# KiCad board FlightComputer.kicad_pcb
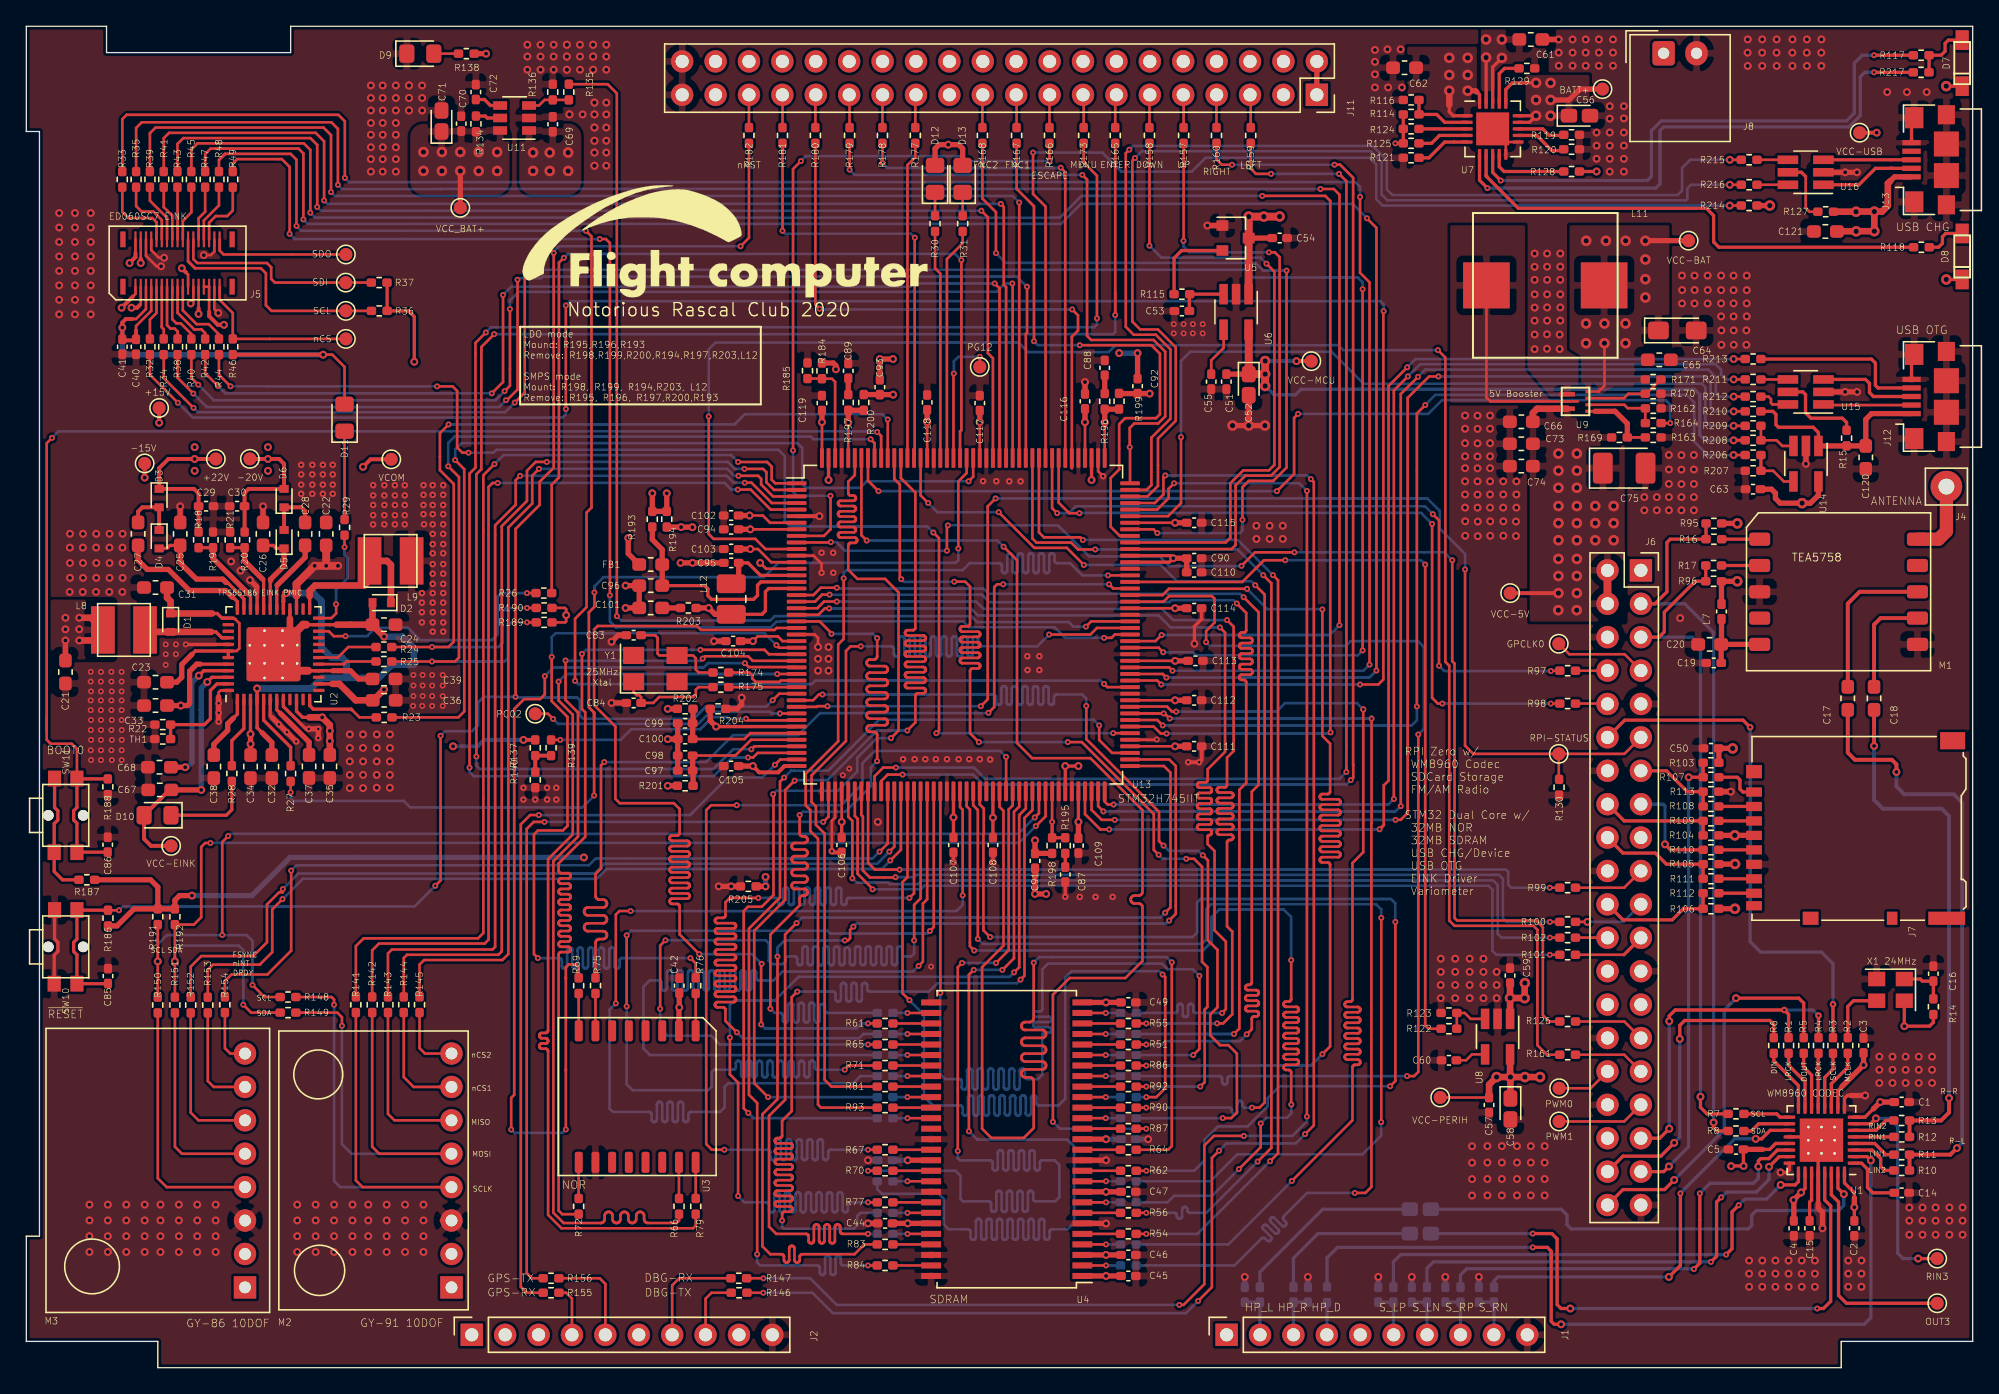
[diagram p0: board, top side]
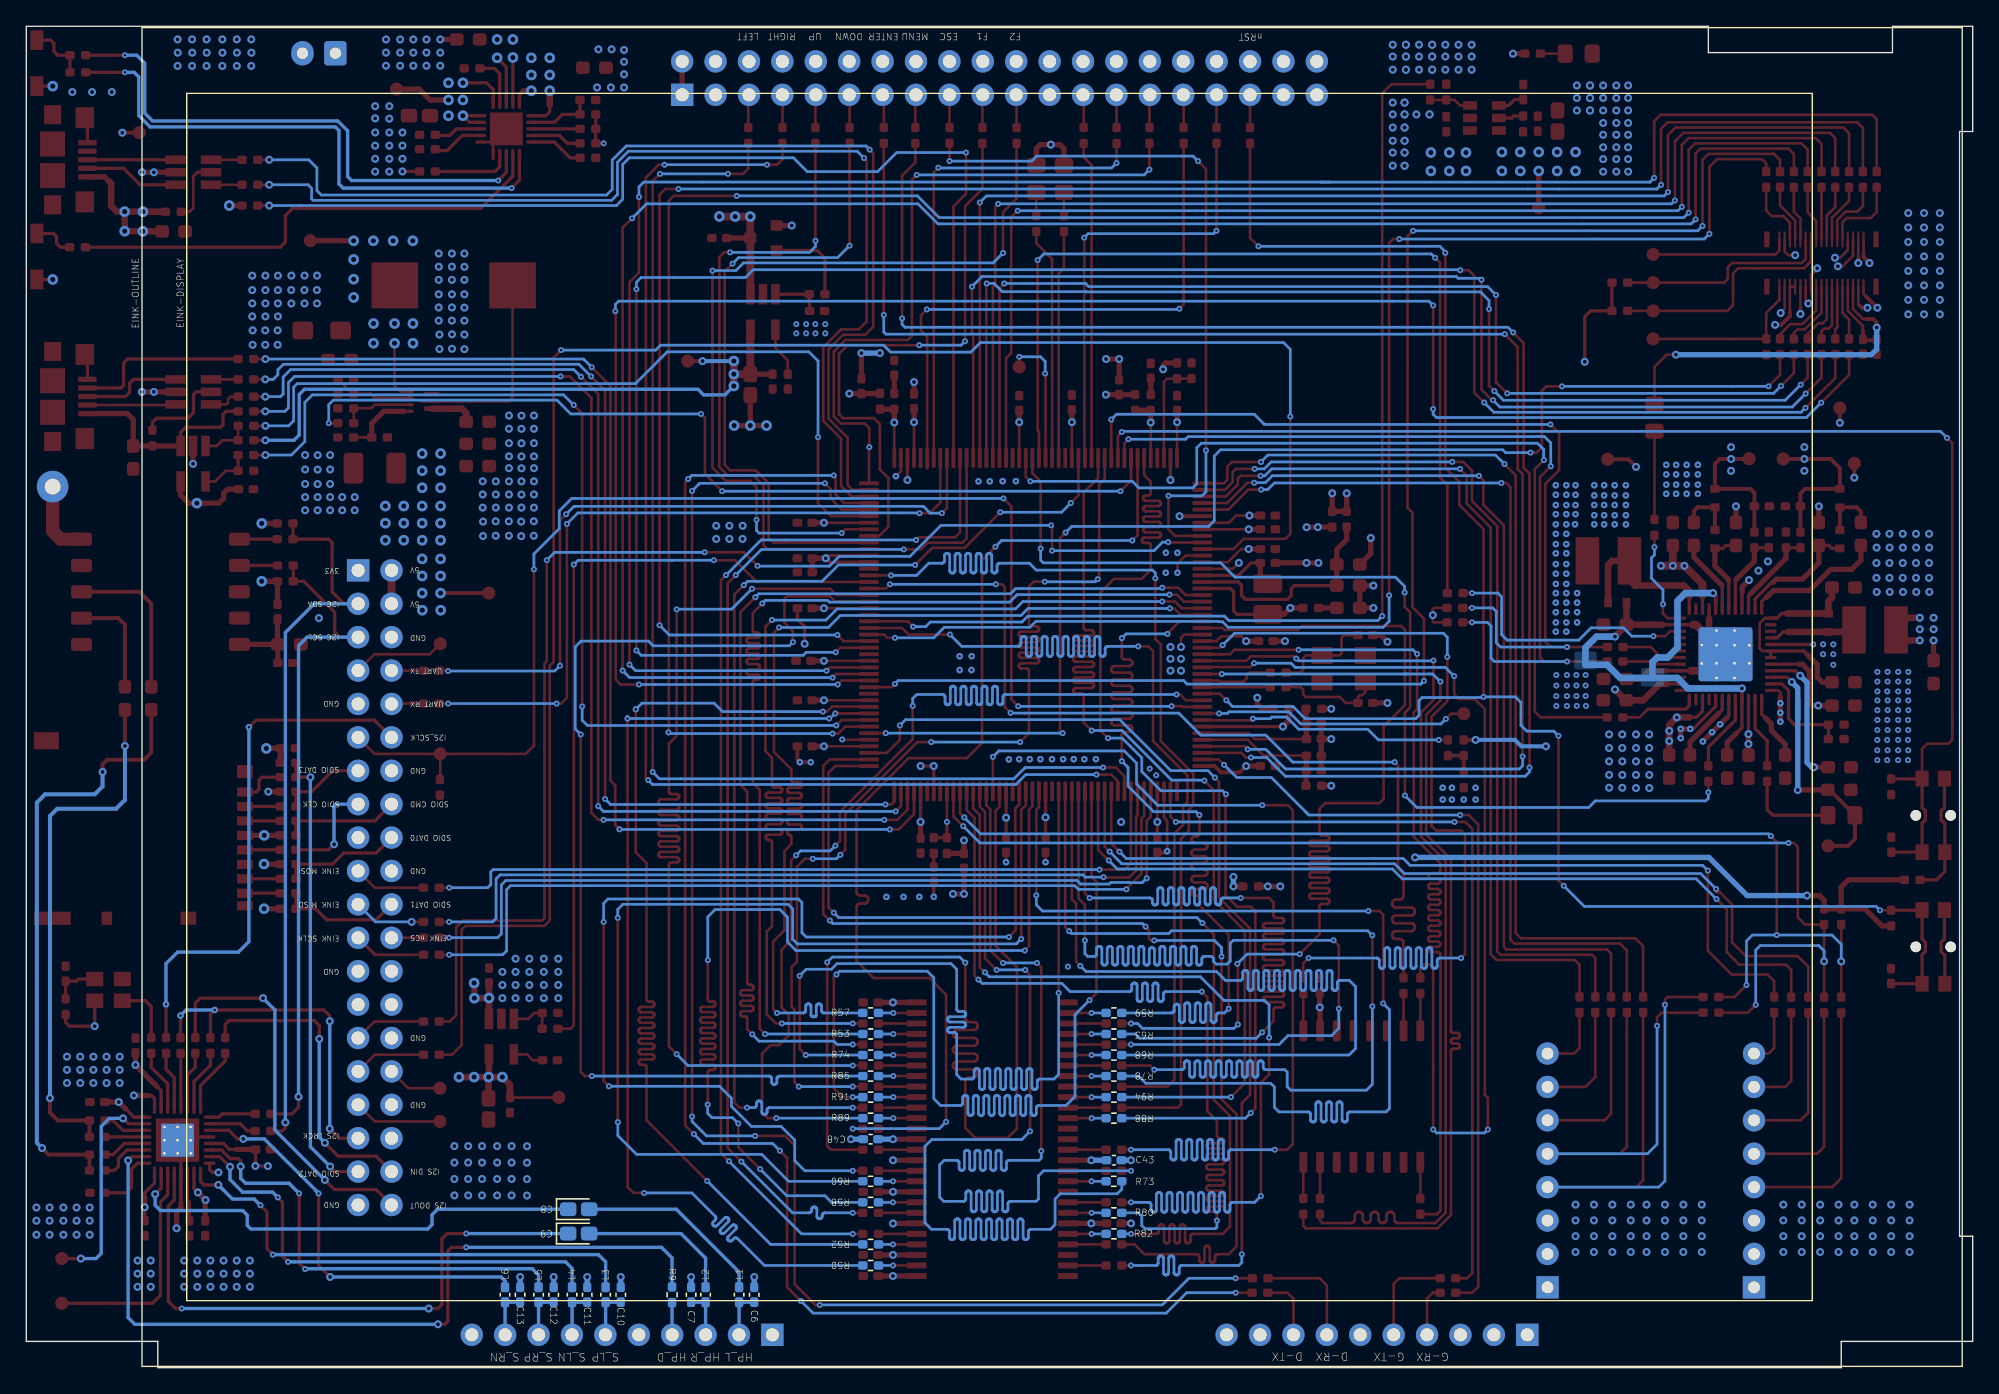
[diagram p1: board, bottom side, seen from below]

Outline 148 x 102 mm; copper layers: Top, In1.Cu, In2.Cu, Bottom. Coordinates in mm from the lower left corner of the outline.
Outline path: 0,102 0,94 1,94 1,10 0,10 0,2 10,2 10,0 138,0 138,2 148,2 148,102 20.1,102 20.1,100 6.1,100 6.1,102 0,102

## Placement (name value [footprint] x y rotation side)
C1  0.1uF  [C_0402_1005Metric_Pad0.74x0.62mm_HandSolder]  142.6 20.2 0 top
C2  0.1uF  [C_0402_1005Metric_Pad0.74x0.62mm_HandSolder]  139 10.6 270 top
C3  0.1uF  [C_0402_1005Metric_Pad0.74x0.62mm_HandSolder]  139.7 24.5 90 top
C4  4.7uF  [C_0402_1005Metric_Pad0.74x0.62mm_HandSolder]  134.4 10.6 270 top
C5  4.7uF  [C_0402_1005Metric_Pad0.74x0.62mm_HandSolder]  130 16.6 180 top
C6  220pF  [C_0402_1005Metric_Pad0.74x0.62mm_HandSolder]  92.65 5.55 90 bottom
C7  220pF  [C_0402_1005Metric_Pad0.74x0.62mm_HandSolder]  97.45 5.55 90 bottom
C8  10uF  [CP_EIA-1608-08_AVX-J_Pad1.25x1.05mm_HandSolder]  106 12.05 180 bottom
C9  10uF  [CP_EIA-1608-08_AVX-J_Pad1.25x1.05mm_HandSolder]  106 10.2 180 bottom
C10  220pF  [C_0402_1005Metric_Pad0.74x0.62mm_HandSolder]  102.8 5.55 90 bottom
C11  220pF  [C_0402_1005Metric_Pad0.74x0.62mm_HandSolder]  105.35 5.55 90 bottom
C12  220pF  [C_0402_1005Metric_Pad0.74x0.62mm_HandSolder]  107.9 5.55 90 bottom
C13  220pF  [C_0402_1005Metric_Pad0.74x0.62mm_HandSolder]  110.45 5.55 90 bottom
C14  4.7uF  [C_0402_1005Metric_Pad0.74x0.62mm_HandSolder]  142.6 13.3 0 top
C15  4.7uF  [C_0402_1005Metric_Pad0.74x0.62mm_HandSolder]  135.6 10.6 90 top
C16  0.1uF  [C_0402_1005Metric_Pad0.74x0.62mm_HandSolder]  145.01 29.96 270 top
C17  10uF  [C_0603_1608Metric_Pad1.05x0.95mm_HandSolder]  138.5 50.9 270 top
C18  10uF  [C_0603_1608Metric_Pad1.05x0.95mm_HandSolder]  140.5 50.9 270 top
C19  0.1uF  [C_0402_1005Metric_Pad0.74x0.62mm_HandSolder]  128.31 53.59 180 top
C20  10uF  [C_0603_1608Metric_Pad1.05x0.95mm_HandSolder]  128 55 180 top
C21  10uF  [C_0603_1608Metric_Pad1.05x0.95mm_HandSolder]  2.98 52.9 270 top
C22  10uF  [C_0603_1608Metric_Pad1.05x0.95mm_HandSolder]  22.8 63.4 270 top
C23  4.7uF  [C_0603_1608Metric_Pad1.05x0.95mm_HandSolder]  9.82 52.12 180 top
C24  4.7uF  [C_0603_1608Metric_Pad1.05x0.95mm_HandSolder]  27.2 56.5 180 top
C25  0.1uF  [C_0603_1608Metric_Pad1.05x0.95mm_HandSolder]  11.7 63.4 90 top
C26  0.1uF  [C_0603_1608Metric_Pad1.05x0.95mm_HandSolder]  18 63.4 270 top
C27  0.01uF  [C_0603_1608Metric_Pad1.05x0.95mm_HandSolder]  8.5 63.4 90 top
C28  0.01uF  [C_0603_1608Metric_Pad1.05x0.95mm_HandSolder]  21.2 63.4 270 top
C29  2.2uF  [C_0402_1005Metric_Pad0.74x0.62mm_HandSolder]  13.67 65.51 180 top
C30  2.2uF  [C_0402_1005Metric_Pad0.74x0.62mm_HandSolder]  16.03 65.51 180 top
C31  4.7uF  [C_0603_1608Metric_Pad1.05x0.95mm_HandSolder]  9.82 59.33 180 top
C32  4.7uF  [C_0603_1608Metric_Pad1.05x0.95mm_HandSolder]  18.67 45.71 90 top
C33  4.7uF  [C_0603_1608Metric_Pad1.05x0.95mm_HandSolder]  9.82 50.35 180 top
C34  4.7uF  [C_0603_1608Metric_Pad1.05x0.95mm_HandSolder]  17.05 45.71 90 top
C35  10uF  [C_0603_1608Metric_Pad1.05x0.95mm_HandSolder]  23.08 45.72 270 top
C36  4.7uF  [C_0603_1608Metric_Pad1.05x0.95mm_HandSolder]  27.21 50.75 0 top
C37  4.7uF  [C_0603_1608Metric_Pad1.05x0.95mm_HandSolder]  21.5 45.72 90 top
C38  4.7uF  [C_0603_1608Metric_Pad1.05x0.95mm_HandSolder]  14.26 45.71 90 top
C39  4.7uF  [C_0603_1608Metric_Pad1.05x0.95mm_HandSolder]  27.2 52.37 180 top
C40  1uF  [C_0402_1005Metric_Pad0.74x0.62mm_HandSolder]  8.34 77.63 270 top
C41  0.1uF  [C_0402_1005Metric_Pad0.74x0.62mm_HandSolder]  7.3 77.63 270 top
C42  0.1uF  [C_0402_1005Metric_Pad0.74x0.62mm_HandSolder]  49.65 29.05 90 top
C43  0.1uF  [C_0402_1005Metric_Pad0.74x0.62mm_HandSolder]  65.3 15.78 0 bottom
C44  0.1uF  [C_0402_1005Metric_Pad0.74x0.62mm_HandSolder]  65.3 10.97 0 top
C45  0.1uF  [C_0402_1005Metric_Pad0.74x0.62mm_HandSolder]  83.8 6.97 180 top
C46  0.1uF  [C_0402_1005Metric_Pad0.74x0.62mm_HandSolder]  83.8 8.58 180 top
C47  0.1uF  [C_0402_1005Metric_Pad0.74x0.62mm_HandSolder]  83.8 13.38 180 top
C48  0.1uF  [C_0402_1005Metric_Pad0.74x0.62mm_HandSolder]  83.8 17.38 180 bottom
C49  0.1uF  [C_0402_1005Metric_Pad0.74x0.62mm_HandSolder]  83.8 27.78 180 top
C50  0.1uF  [C_0402_1005Metric_Pad0.74x0.62mm_HandSolder]  128.1 47.1 0 top
C51  0.1uF  [C_0402_1005Metric_Pad0.74x0.62mm_HandSolder]  91.25 74.98 270 top
C52  10uF  [CP_EIA-1608-08_AVX-J_Pad1.25x1.05mm_HandSolder]  92.95 74.75 270 top
C53  1uF  [C_0402_1005Metric_Pad0.74x0.62mm_HandSolder]  87.87 80.35 180 top
C54  1uF  [C_0402_1005Metric_Pad0.74x0.62mm_HandSolder]  95.3 85.9 0 top
C55  N/C  [C_0402_1005Metric_Pad0.74x0.62mm_HandSolder]  90.1 74.98 270 top
C56  10uF  [CP_EIA-1608-08_AVX-J_Pad1.25x1.05mm_HandSolder]  118.1 95.2 0 top
C57  0.1uF  [C_0402_1005Metric_Pad0.74x0.62mm_HandSolder]  111.22 19.97 270 top
C58  10uF  [CP_EIA-1608-08_AVX-J_Pad1.25x1.05mm_HandSolder]  112.85 19.67 270 top
C59  1uF  [C_0402_1005Metric_Pad0.74x0.62mm_HandSolder]  112.82 29.82 90 top
C60  N/C  [C_0402_1005Metric_Pad0.74x0.62mm_HandSolder]  108.17 23.38 180 top
C61  10uF  [C_0603_1608Metric_Pad1.05x0.95mm_HandSolder]  114.4 101 0 top
C62  4.7uF  [C_0603_1608Metric_Pad1.05x0.95mm_HandSolder]  104.8 98.85 180 top
C63  2.2uF  [C_0402_1005Metric_Pad0.74x0.62mm_HandSolder]  131.3 66.8 180 top
C64  100uF  [CP_EIA-3216-10_Kemet-I_Pad1.58x1.35mm_HandSolder]  125.54 78.87 0 top
C65  10uF  [C_0603_1608Metric_Pad1.05x0.95mm_HandSolder]  124.17 76.64 0 top
C66  2.2uF  [C_0603_1608Metric_Pad1.05x0.95mm_HandSolder]  113.68 71.93 180 top
C67  4.7uF  [C_0603_1608Metric_Pad1.05x0.95mm_HandSolder]  10.15 43.94 0 top
C68  4.7uF  [C_0603_1608Metric_Pad1.05x0.95mm_HandSolder]  10.12 45.66 0 top
C69  1uF  [C_0402_1005Metric_Pad0.74x0.62mm_HandSolder]  40.03 94.55 90 top
C70  0.1uF  [C_0402_1005Metric_Pad0.74x0.62mm_HandSolder]  33.07 94.6 90 top
C71  10uF  [CP_EIA-1608-08_AVX-J_Pad1.25x1.05mm_HandSolder]  31.57 94.8 90 top
C72  N/C  [C_0402_1005Metric_Pad0.74x0.62mm_HandSolder]  34.18 97 90 top
C73  2.2uF  [C_0603_1608Metric_Pad1.05x0.95mm_HandSolder]  113.68 70.25 180 top
C74  2.2uF  [C_0603_1608Metric_Pad1.05x0.95mm_HandSolder]  113.68 68.56 180 top
C75  100uF  [CP_EIA-3528-15_AVX-H_Pad1.50x2.35mm_HandSolder]  121.5 68.4 0 top
C83  18pF  [C_0402_1005Metric_Pad0.74x0.62mm_HandSolder]  46.18 55.7 180 top
C84  18pF  [C_0402_1005Metric_Pad0.74x0.62mm_HandSolder]  46.18 50.55 180 top
C85  0.1uF  [C_0402_1005Metric_Pad0.74x0.62mm_HandSolder]  6.21 29.78 90 top
C86  0.1uF  [C_0402_1005Metric_Pad0.74x0.62mm_HandSolder]  6.19 39.77 90 top
C87  0.1uF  [C_0402_1005Metric_Pad0.74x0.62mm_HandSolder]  79 37.5 270 top
C88  0.1uF  [C_0402_1005Metric_Pad0.74x0.62mm_HandSolder]  82 76.03 90 top
C89  0.1uF  [C_0402_1005Metric_Pad0.74x0.62mm_HandSolder]  62.5 75.8 90 top
C90  1uF  [C_0402_1005Metric_Pad0.74x0.62mm_HandSolder]  88.8 61.55 0 top
C91  4.7uF  [C_0402_1005Metric_Pad0.74x0.62mm_HandSolder]  76.7 38.54 90 top
C92  4.7uF  [C_0402_1005Metric_Pad0.74x0.62mm_HandSolder]  84.5 74.64 270 top
C93  4.7uF  [C_0402_1005Metric_Pad0.74x0.62mm_HandSolder]  64.9 74.56 270 top
C94  0.1uF  [C_0402_1005Metric_Pad0.74x0.62mm_HandSolder]  53.6 63.75 180 top
C95  220pF  [C_0402_1005Metric_Pad0.74x0.62mm_HandSolder]  53.6 61.2 180 top
C96  10uF  [C_0603_1608Metric_Pad1.05x0.95mm_HandSolder]  47.48 59.47 180 top
C97  1uF  [C_0402_1005Metric_Pad0.74x0.62mm_HandSolder]  50.1 45.4 180 top
C98  0.1uF  [C_0402_1005Metric_Pad0.74x0.62mm_HandSolder]  50.1 46.55 180 top
C99  1uF  [C_0402_1005Metric_Pad0.74x0.62mm_HandSolder]  50.1 49 180 top
C100  0.1uF  [C_0402_1005Metric_Pad0.74x0.62mm_HandSolder]  50.1 47.8 180 top
C101  10uF  [C_0603_1608Metric_Pad1.05x0.95mm_HandSolder]  47.48 57.77 180 top
C102  0.1uF  [C_0402_1005Metric_Pad0.74x0.62mm_HandSolder]  53.59 64.8 180 top
C103  0.1uF  [C_0402_1005Metric_Pad0.74x0.62mm_HandSolder]  53.6 62.25 180 top
C104  0.1uF  [C_0402_1005Metric_Pad0.74x0.62mm_HandSolder]  53.75 55.25 180 top
C105  0.1uF  [C_0402_1005Metric_Pad0.74x0.62mm_HandSolder]  53.6 45.75 180 top
C106  0.1uF  [C_0402_1005Metric_Pad0.74x0.62mm_HandSolder]  62 39.75 270 top
C107  0.1uF  [C_0402_1005Metric_Pad0.74x0.62mm_HandSolder]  70.5 39.75 270 top
C108  0.1uF  [C_0402_1005Metric_Pad0.74x0.62mm_HandSolder]  73.5 39.75 270 top
C109  0.1uF  [C_0402_1005Metric_Pad0.74x0.62mm_HandSolder]  80 39.7 270 top
C110  4.7uF  [C_0402_1005Metric_Pad0.74x0.62mm_HandSolder]  88.8 60.48 0 top
C111  0.1uF  [C_0402_1005Metric_Pad0.74x0.62mm_HandSolder]  88.8 47.25 0 top
C112  0.1uF  [C_0402_1005Metric_Pad0.74x0.62mm_HandSolder]  88.8 50.75 0 top
C113  0.1uF  [C_0402_1005Metric_Pad0.74x0.62mm_HandSolder]  88.9 53.75 0 top
C114  0.1uF  [C_0402_1005Metric_Pad0.74x0.62mm_HandSolder]  88.8 57.75 0 top
C115  0.1uF  [C_0402_1005Metric_Pad0.74x0.62mm_HandSolder]  88.8 64.25 0 top
C116  0.1uF  [C_0402_1005Metric_Pad0.74x0.62mm_HandSolder]  80.5 73.48 90 top
C117  0.1uF  [C_0402_1005Metric_Pad0.74x0.62mm_HandSolder]  72.5 73.35 90 top
C118  0.1uF  [C_0402_1005Metric_Pad0.74x0.62mm_HandSolder]  68.5 73.4 90 top
C119  0.1uF  [C_0402_1005Metric_Pad0.74x0.62mm_HandSolder]  60.5 73.35 90 top
C120  10uF  [C_0603_1608Metric_Pad1.05x0.95mm_HandSolder]  139.87 69.22 270 top
C121  10uF  [C_0603_1608Metric_Pad1.05x0.95mm_HandSolder]  136.8 86.4 180 top
D1  MBR130T1G  [D_SOD-523]  10.97 56.65 270 top
D2  MBR130T1G  [D_SOD-523]  27.02 58.17 180 top
D3  RB531SM  [D_SOD-523]  10.1 66.12 270 top
D4  RB531SM  [D_SOD-523]  10.1 63 270 top
D5  RB531SM  [D_SOD-523]  19.6 63 90 top
D6  BAT54-SOT23  [D_SOD-523]  19.6 66.12 90 top
D7  LED_R  [SML-LXR85GC-TR]  147.2 99.2 270 top
D8  LED_G  [SML-LXR85GC-TR]  147.2 84.5 270 top
D9  LED_G  [D_0805_2012Metric_Pad1.15x1.40mm_HandSolder]  29.96 99.92 0 top
D10  LED_R  [LED_0805_2012Metric_Pad1.15x1.40mm_HandSolder]  9.98 42.01 180 top
D11  LED_R  [LED_0805_2012Metric_Pad1.15x1.40mm_HandSolder]  24.2 72.24 90 top
D12  LED_R  [LED_0805_2012Metric_Pad1.15x1.40mm_HandSolder]  69.1 90.4 90 top
D13  LED_G  [LED_0805_2012Metric_Pad1.15x1.40mm_HandSolder]  71.2 90.4 90 top
FB1  BEAD(BMJ1608HM180NTR)  [L_0603_1608Metric_Pad1.05x0.95mm_HandSolder]  47.48 61.08 0 top
G***  LOGO  [LOGO-FC]  53.2 85.54 0 top
J1  Conn_01x10  [PinSocket_1x10_P2.54mm_Vertical]  91.27 2.5 90 top
J2  Conn_01x10  [PinSocket_1x10_P2.54mm_Vertical]  33.87 2.5 90 top
J4  Conn_01x01  [Pin_D1.2mm_L10.2mm_W2.9mm_FlatFork]  146 67 0 top
J5  ED060SC7_EPD  [AXT334124]  11.5 84 180 top
J6  RPI_Connector  [PinSocket_2x20_P2.54mm_Vertical]  122.77 60.63 0 top
J7  Micro_SD_Card  [microSD_HC_Hirose_DM3AT-SF-PEJM5]  139.1 41 90 top
J8  Conn_01x02  [Molex_SPOX_5268-02A_1x02_P2.50mm_Horizontal]  124.5 99.95 0 top
J11  Conn_02x20_Odd_Even  [PinSocket_2x20_P2.54mm_Vertical]  98.13 96.79 270 top
J12  USB_B_Micro  [USB_Micro-B_TE-1981568-1]  146 73.85 90 top
J13  USB_B_Micro  [USB_Micro-B_TE-1981568-1]  146 91.85 90 top
L1  Ferrite  [L_0402_1005Metric_Pad0.77x0.64mm_HandSolder]  93.8 5.55 270 bottom
L2  Ferrite  [L_0402_1005Metric_Pad0.77x0.64mm_HandSolder]  96.35 5.55 270 bottom
L3  Ferrite  [L_0402_1005Metric_Pad0.77x0.64mm_HandSolder]  103.95 5.55 270 bottom
L4  Ferrite  [L_0402_1005Metric_Pad0.77x0.64mm_HandSolder]  106.5 5.55 270 bottom
L5  Ferrite  [L_0402_1005Metric_Pad0.77x0.64mm_HandSolder]  109.05 5.55 270 bottom
L6  Ferrite  [L_0402_1005Metric_Pad0.77x0.64mm_HandSolder]  111.6 5.55 270 bottom
L7  Ferrite  [L_0402_1005Metric_Pad0.77x0.64mm_HandSolder]  128.9 57.5 270 top
L8  2.2uH  [L_1515(4040 metric)]  7.42 56.1 180 top
L9  4.7uH  [L_1515(4040 metric)]  27.7 61.35 180 top
L11  1uH  [SRP1038C-1R0M]  115.5 82.3 180 top
L12  2.2uH (LQM2MPN2R2NG0)  [L_1008_2520Metric_Pad1.43x2.20mm_HandSolder]  53.6 58.45 90 top
M1  TEA5767_Radio_Module  [TEA5756-TJ-102BC]  137.8 59 180 top
M2  -  [GY-91]  26.4 15 180 top
M3  -  [GY-86]  10 15 180 top
R1  33R  [R_0402_1005Metric_Pad0.72x0.64mm_HandSolder]  134 24.5 90 top
R2  33R  [R_0402_1005Metric_Pad0.72x0.64mm_HandSolder]  138.5 24.5 90 top
R3  33R  [R_0402_1005Metric_Pad0.72x0.64mm_HandSolder]  137.38 24.5 90 top
R4  33R  [R_0402_1005Metric_Pad0.72x0.64mm_HandSolder]  136.28 24.5 90 top
R5  33R  [R_0402_1005Metric_Pad0.72x0.64mm_HandSolder]  135.15 24.5 90 top
R6  33R  [R_0402_1005Metric_Pad0.72x0.64mm_HandSolder]  132.88 24.5 90 top
R7  33R  [R_0402_1005Metric_Pad0.72x0.64mm_HandSolder]  130 19.3 180 top
R8  33R  [R_0402_1005Metric_Pad0.72x0.64mm_HandSolder]  130 18 180 top
R9  33R  [R_0402_1005Metric_Pad0.72x0.64mm_HandSolder]  98.9 5.55 270 bottom
R10  33R  [R_0402_1005Metric_Pad0.72x0.64mm_HandSolder]  142.6 15 0 top
R11  N/C  [R_0402_1005Metric_Pad0.72x0.64mm_HandSolder]  142.6 16.2 0 top
R12  N/C  [R_0402_1005Metric_Pad0.72x0.64mm_HandSolder]  142.6 17.55 0 top
R13  33R  [R_0402_1005Metric_Pad0.72x0.64mm_HandSolder]  142.6 18.8 0 top
R14  10K  [R_0402_1005Metric_Pad0.72x0.64mm_HandSolder]  145.01 27.45 270 top
R15  0R  [R_0402_1005Metric_Pad0.72x0.64mm_HandSolder]  138.41 70.69 90 top
R16  33R  [R_0402_1005Metric_Pad0.72x0.64mm_HandSolder]  128.32 63 180 top
R17  33R  [R_0402_1005Metric_Pad0.72x0.64mm_HandSolder]  128.3 61 180 top
R18  1M  [R_0402_1005Metric_Pad0.72x0.64mm_HandSolder]  13.1 62.95 270 top
R19  47.5K  [R_0402_1005Metric_Pad0.72x0.64mm_HandSolder]  14.2 62.95 270 top
R20  1M  [R_0402_1005Metric_Pad0.72x0.64mm_HandSolder]  16.6 62.95 90 top
R21  52.3K  [R_0402_1005Metric_Pad0.72x0.64mm_HandSolder]  15.5 62.95 90 top
R22  43K  [R_0402_1005Metric_Pad0.72x0.64mm_HandSolder]  10.38 48.9 0 top
R23  33R  [R_0402_1005Metric_Pad0.72x0.64mm_HandSolder]  27.21 49.45 180 top
R24  33R  [R_0402_1005Metric_Pad0.72x0.64mm_HandSolder]  27.19 54.8 180 top
R25  33R  [R_0402_1005Metric_Pad0.72x0.64mm_HandSolder]  27.19 53.7 180 top
R26  33R  [R_0402_1005Metric_Pad0.72x0.64mm_HandSolder]  39.35 58.9 180 top
R27  33R  [R_0402_1005Metric_Pad0.72x0.64mm_HandSolder]  20.1 45.17 90 top
R28  1K  [R_0402_1005Metric_Pad0.72x0.64mm_HandSolder]  15.63 45.18 270 top
R29  1K  [R_0402_1005Metric_Pad0.72x0.64mm_HandSolder]  24.2 63.9 90 top
R30  1K  [R_0402_1005Metric_Pad0.72x0.64mm_HandSolder]  69.1 87 90 top
R31  1K  [R_0402_1005Metric_Pad0.72x0.64mm_HandSolder]  71.2 87 90 top
R32  33R  [R_0402_1005Metric_Pad0.72x0.64mm_HandSolder]  9.4 77.63 90 top
R33  33R  [R_0402_1005Metric_Pad0.72x0.64mm_HandSolder]  7.3 90.36 90 top
R34  33R  [R_0402_1005Metric_Pad0.72x0.64mm_HandSolder]  10.45 77.63 90 top
R35  33R  [R_0402_1005Metric_Pad0.72x0.64mm_HandSolder]  8.35 90.36 90 top
R36  10K  [R_0402_1005Metric_Pad0.72x0.64mm_HandSolder]  26.84 80.36 180 top
R37  10K  [R_0402_1005Metric_Pad0.72x0.64mm_HandSolder]  26.83 82.51 180 top
R38  33R  [R_0402_1005Metric_Pad0.72x0.64mm_HandSolder]  11.5 77.63 90 top
R39  33R  [R_0402_1005Metric_Pad0.72x0.64mm_HandSolder]  9.4 90.36 90 top
R40  33R  [R_0402_1005Metric_Pad0.72x0.64mm_HandSolder]  12.55 77.63 90 top
R41  33R  [R_0402_1005Metric_Pad0.72x0.64mm_HandSolder]  10.45 90.36 90 top
R42  33R  [R_0402_1005Metric_Pad0.72x0.64mm_HandSolder]  13.6 77.63 90 top
R43  33R  [R_0402_1005Metric_Pad0.72x0.64mm_HandSolder]  11.49 90.36 90 top
R44  33R  [R_0402_1005Metric_Pad0.72x0.64mm_HandSolder]  14.65 77.63 90 top
R45  33R  [R_0402_1005Metric_Pad0.72x0.64mm_HandSolder]  12.55 90.36 90 top
R46  10K  [R_0402_1005Metric_Pad0.72x0.64mm_HandSolder]  15.7 77.63 90 top
R47  33R  [R_0402_1005Metric_Pad0.72x0.64mm_HandSolder]  13.6 90.36 90 top
R48  33R  [R_0402_1005Metric_Pad0.72x0.64mm_HandSolder]  14.65 90.36 90 top
R49  33R  [R_0402_1005Metric_Pad0.72x0.64mm_HandSolder]  15.7 90.36 90 top
R50  33R  [R_0402_1005Metric_Pad0.72x0.64mm_HandSolder]  83.8 7.78 180 bottom
R51  33R  [R_0402_1005Metric_Pad0.72x0.64mm_HandSolder]  83.8 24.58 0 top
R52  33R  [R_0402_1005Metric_Pad0.72x0.64mm_HandSolder]  83.8 9.38 180 bottom
R53  33R  [R_0402_1005Metric_Pad0.72x0.64mm_HandSolder]  83.8 25.38 0 bottom
R54  33R  [R_0402_1005Metric_Pad0.72x0.64mm_HandSolder]  83.8 10.17 180 top
R55  33R  [R_0402_1005Metric_Pad0.72x0.64mm_HandSolder]  83.8 26.17 0 top
R56  33R  [R_0402_1005Metric_Pad0.72x0.64mm_HandSolder]  83.8 11.78 180 top
R57  33R  [R_0402_1005Metric_Pad0.72x0.64mm_HandSolder]  83.8 26.97 0 bottom
R58  33R  [R_0402_1005Metric_Pad0.72x0.64mm_HandSolder]  83.8 12.58 180 bottom
R59  33R  [R_0402_1005Metric_Pad0.72x0.64mm_HandSolder]  65.3 26.97 180 bottom
R60  33R  [R_0402_1005Metric_Pad0.72x0.64mm_HandSolder]  83.8 14.17 180 bottom
R61  33R  [R_0402_1005Metric_Pad0.72x0.64mm_HandSolder]  65.3 26.17 180 top
R62  33R  [R_0402_1005Metric_Pad0.72x0.64mm_HandSolder]  83.8 14.97 180 top
R63  33R  [R_0402_1005Metric_Pad0.72x0.64mm_HandSolder]  65.3 25.38 180 bottom
R64  33R  [R_0402_1005Metric_Pad0.72x0.64mm_HandSolder]  83.8 16.58 180 top
R65  33R  [R_0402_1005Metric_Pad0.72x0.64mm_HandSolder]  65.3 24.58 180 top
R66  33R  [R_0402_1005Metric_Pad0.72x0.64mm_HandSolder]  49.63 12.27 270 top
R67  33R  [R_0402_1005Metric_Pad0.72x0.64mm_HandSolder]  65.3 16.58 0 top
R68  33R  [R_0402_1005Metric_Pad0.72x0.64mm_HandSolder]  65.3 23.78 180 bottom
R69  33R  [R_0402_1005Metric_Pad0.72x0.64mm_HandSolder]  42 29.05 90 top
R70  33R  [R_0402_1005Metric_Pad0.72x0.64mm_HandSolder]  65.3 14.97 0 top
R71  33R  [R_0402_1005Metric_Pad0.72x0.64mm_HandSolder]  65.3 22.97 180 top
R72  33R  [R_0402_1005Metric_Pad0.72x0.64mm_HandSolder]  42 12.27 270 top
R73  33R  [R_0402_1005Metric_Pad0.72x0.64mm_HandSolder]  65.3 14.17 0 bottom
R74  33R  [R_0402_1005Metric_Pad0.72x0.64mm_HandSolder]  83.8 23.78 0 bottom
R75  33R  [R_0402_1005Metric_Pad0.72x0.64mm_HandSolder]  43.28 29.05 270 top
R76  33R  [R_0402_1005Metric_Pad0.72x0.64mm_HandSolder]  50.9 29.05 90 top
R77  33R  [R_0402_1005Metric_Pad0.72x0.64mm_HandSolder]  65.3 12.58 0 top
R78  33R  [R_0402_1005Metric_Pad0.72x0.64mm_HandSolder]  65.3 22.17 180 bottom
R79  33R  [R_0402_1005Metric_Pad0.72x0.64mm_HandSolder]  50.9 12.27 90 top
R80  33R  [R_0402_1005Metric_Pad0.72x0.64mm_HandSolder]  65.3 11.78 0 bottom
R81  33R  [R_0402_1005Metric_Pad0.72x0.64mm_HandSolder]  65.3 21.38 180 top
R82  33R  [R_0402_1005Metric_Pad0.72x0.64mm_HandSolder]  65.3 10.17 0 bottom
R83  33R  [R_0402_1005Metric_Pad0.72x0.64mm_HandSolder]  65.3 9.38 0 top
R84  33R  [R_0402_1005Metric_Pad0.72x0.64mm_HandSolder]  65.3 7.78 0 top
R85  33R  [R_0402_1005Metric_Pad0.72x0.64mm_HandSolder]  83.8 22.17 0 bottom
R86  33R  [R_0402_1005Metric_Pad0.72x0.64mm_HandSolder]  83.8 22.97 0 top
R87  33R  [R_0402_1005Metric_Pad0.72x0.64mm_HandSolder]  83.8 18.17 0 top
R88  33R  [R_0402_1005Metric_Pad0.72x0.64mm_HandSolder]  65.3 18.97 180 bottom
R89  33R  [R_0402_1005Metric_Pad0.72x0.64mm_HandSolder]  83.8 18.97 0 bottom
R90  33R  [R_0402_1005Metric_Pad0.72x0.64mm_HandSolder]  83.8 19.78 0 top
R91  33R  [R_0402_1005Metric_Pad0.72x0.64mm_HandSolder]  83.8 20.58 0 bottom
R92  33R  [R_0402_1005Metric_Pad0.72x0.64mm_HandSolder]  83.8 21.38 0 top
R93  33R  [R_0402_1005Metric_Pad0.72x0.64mm_HandSolder]  65.3 19.78 180 top
R94  33R  [R_0402_1005Metric_Pad0.72x0.64mm_HandSolder]  65.3 20.58 180 bottom
R95  47K  [R_0402_1005Metric_Pad0.72x0.64mm_HandSolder]  128.32 64.2 180 top
R96  47K  [R_0402_1005Metric_Pad0.72x0.64mm_HandSolder]  128.3 59.8 180 top
R97  33R  [R_0402_1005Metric_Pad0.72x0.64mm_HandSolder]  117.2 53 0 top
R98  33R  [R_0402_1005Metric_Pad0.72x0.64mm_HandSolder]  117.2 50.5 0 top
R99  33R  [R_0402_1005Metric_Pad0.72x0.64mm_HandSolder]  117.2 36.5 180 top
R100  33R  [R_0402_1005Metric_Pad0.72x0.64mm_HandSolder]  117.2 33.9 180 top
R101  33R  [R_0402_1005Metric_Pad0.72x0.64mm_HandSolder]  117.2 31.4 180 top
R102  33R  [R_0402_1005Metric_Pad0.72x0.64mm_HandSolder]  117.2 32.7 0 top
R103  47K  [R_0402_1005Metric_Pad0.72x0.64mm_HandSolder]  128.1 46 180 top
R104  47K  [R_0402_1005Metric_Pad0.72x0.64mm_HandSolder]  128.1 40.48 180 top
R105  47K  [R_0402_1005Metric_Pad0.72x0.64mm_HandSolder]  128.1 38.29 180 top
R106  47K  [R_0402_1005Metric_Pad0.72x0.64mm_HandSolder]  128.1 34.9 180 top
R107  33R  [R_0402_1005Metric_Pad0.72x0.64mm_HandSolder]  128.1 44.9 180 top
R108  33R  [R_0402_1005Metric_Pad0.72x0.64mm_HandSolder]  128.1 42.68 180 top
R109  33R  [R_0402_1005Metric_Pad0.72x0.64mm_HandSolder]  128.1 41.58 180 top